# Altium PCB mother_board.PcbDoc (part 2 of 5)
Units mil, origin at the board's own origin, x right, y up, seen from the top; angles counter-clockwise.
Board outline 5337.7 x 2972.67 mil, 2 copper layers (Top Layer, Bottom Layer); 94 components, 123 nets, 375 pads, 276 vias.
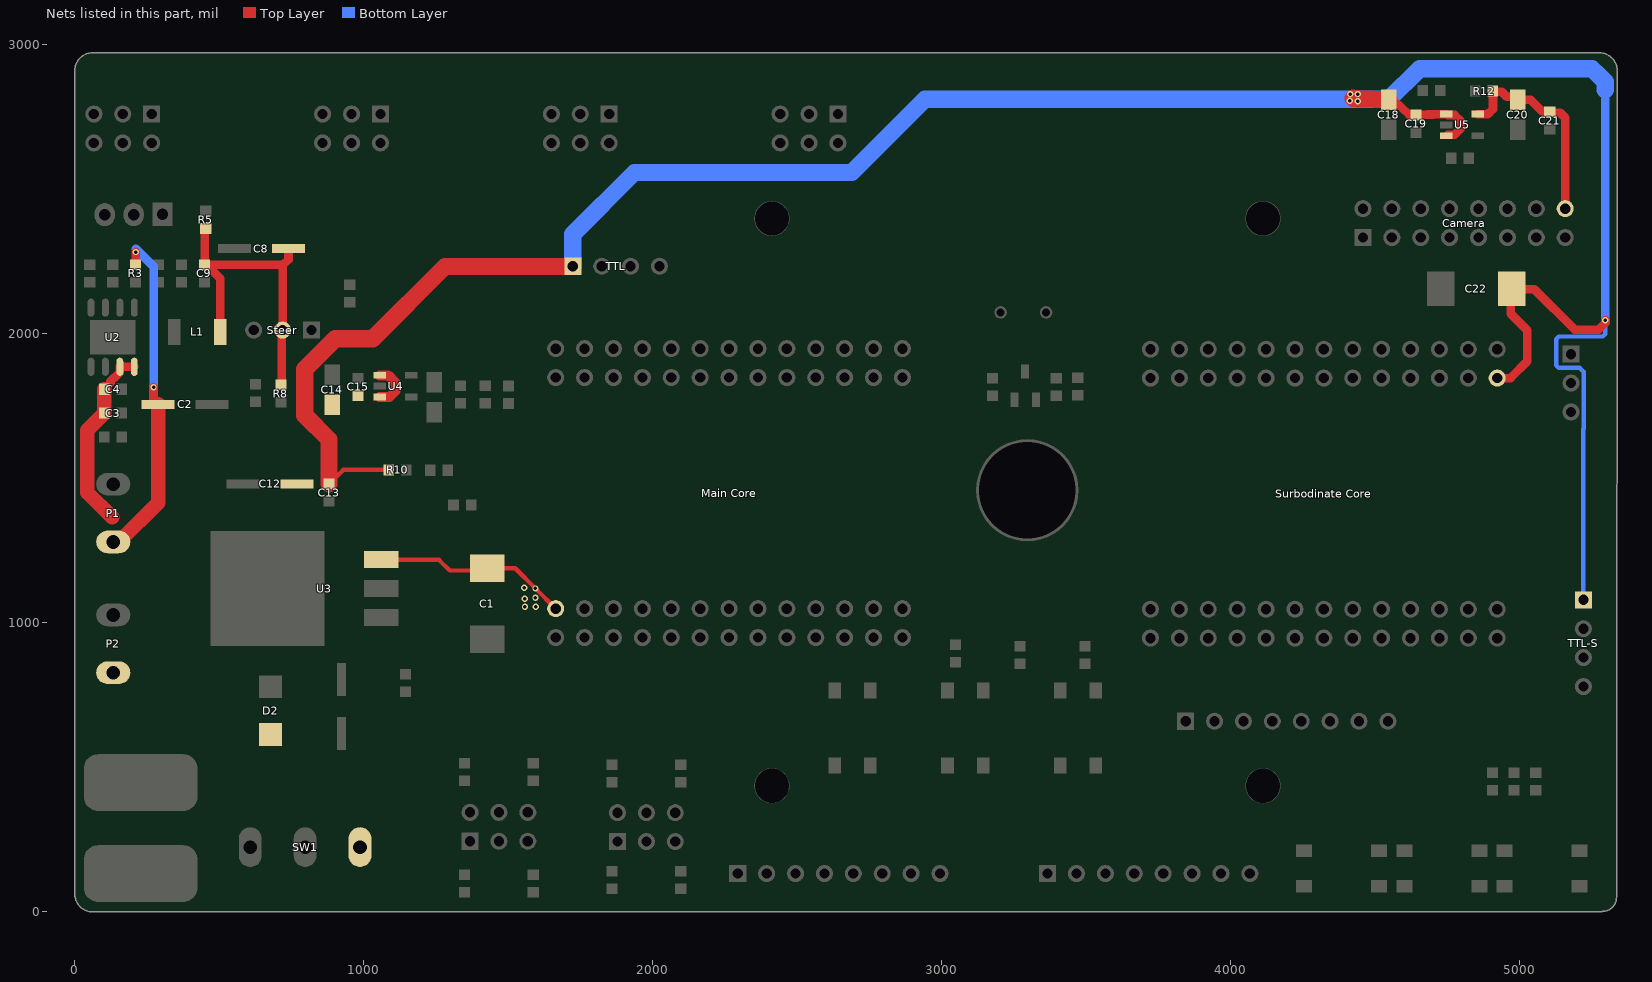
[diagram p2: the nets of this part, all layers, seen from the top]

## Via types
v1: diameter 22, hole 12, Top Layer to Bottom Layer, tented both sides, 274 vias
v2: diameter 22, hole 12, Top Layer to Bottom Layer, 2 vias

## Nets (pads, with @x,y where several pads share a name; then routed paths per layer and width w, separated by ;. In a path a pad name is that pad's centre, name@x,y a point inside that pad or via, vN(x,y) a via of type N, cw(c..) or ccw(c..) an arc to the next point about the centre after c; other vN are vias at no path point) (continued)
VCC5V: "Main Core.2" "Surbodinate Core.2" C1.1 C12.1 C13.2 C14.1 C15.1 C18.1 C19.1 C22.1 R10.1 TTL-S.1 TTL.1 U3.3 U4.1 U4.3 U5.1 U5.3 | length 9831.7
  Top Layer w15: C13.2@880.58,1480.91 928.77,1529.1 R10.1@1086.68,1529.1 ; U3.3@1060.2,1218.3 1060.8,1217.7 1260.6,1217.7 1297.6,1180.7 1418.9,1180.7 C1.1@1427,1188.8 1524.1,1188.8 v1(1594.1,1118.8) 1664.1,1048.8
  Top Layer w30: C18.1@4548,2809.98 4549.87,2809.9 4552.7,2809.79 4563.92,2809.33 4618.81,2757.49 4630.69,2757.46 C19.1@4641.8,2757.43 4677.82,2758.53 4683.29,2759.2 4699.48,2759.2 4700.39,2759.21 U5.1@4745.98,2760.6 4749.45,2760.6 4752.64,2757.41 4774.93,2757.41 4796.72,2735.63 4796.72,2710.77 4774.93,2688.99 U5.3@4752.64,2688.99 ; 4922.7,1846.8 4968.69,1846.8 5026.7,1904.82 5026.7,2012.6 4969.88,2069.42 4969.88,2152.44 C22.1@4973.34,2155.9 ; C22.1@4975.14,2154.1 5051.3,2154.1 5190.7,2014.7 5273.4,2014.7 5297.7,2039 v1@5297.7,2047
  Top Layer w35: U4.3@1054.66,1781.6 1088.83,1781.6 1109.33,1802.1 1109.33,1831.1 1084.03,1856.4 U4.1@1054.66,1856.4
  Top Layer w60: C13.2@879.6,1480.91 879.6,1634.46 795.7,1718.36 795.7,1877.86 900.7,1982.86 1030.86,1982.86 1280.94,2232.94 1722.24,2232.94 TTL.1@1723.3,2234 ; 4423.5,2814.9 4439.68,2814.26 4440.64,2814.22 C18.1@4548,2809.98
  Bottom Layer w15: TTL-S.1@5221,1079.4 5221.1,1079.5 5221.1,1671.36 5221.8,1672.06 5221.8,1869.1 5208.76,1882.14 5135.61,1882.14 5126.82,1890.93 5126.82,1981.86 5135.61,1990.65 5288.11,1990.65 5296.9,1999.43 v1(5296.9,2047)
  Bottom Layer w30: v1(5296.9,2047) 5296.9,2844.9
  Bottom Layer w60: TTL.1@1723.3,2234 1723.3,2344.9 1936.7,2558.3 2688.8,2558.3 2942.4,2811.9 4548,2811.9 4654.2,2918.1 5250.8,2918.1 5272.08,2896.82 5296.9,2872 5296.9,2844.9
  other v1: 1557.6,1055.1 1595.2,1055.1 1556.9,1083.7 1594,1086.1 1555.1,1120.7 4413,2806.3 4440.3,2805.6 4413.7,2830 4440.3,2830
VCCBAT: C2.1 C3.1 C4.1 D2.1 P1.1 P2.1 R3.1 SW1.3 U2.7 U2.8 | length 1831.7
  Top Layer w30: C4.1@101.57,1808.3 101.57,1809.28 104.88,1812.59 105.32,1812.59 122.89,1830.17 122.89,1836.29 135.2,1848.59 137.93,1848.59 155.5,1866.17 U2.7@155.5,1886.04 U2.8@205.5,1886.04 ; v1(210.08,2283.2) R3.1@210.08,2239.7 R3.1@210.18,2239.6 ; v1(272.2,1814.9) 272.2,1756.85 272.95,1756.1 C2.1@287.95,1756.1
  Top Layer w50: C4.1@101.57,1808.3 C3.1@101.57,1725.45 42.65,1666.53 42.65,1450.65 128.71,1364.58 ; P1.1@132.7,1279.8 152.38,1279.8 287.95,1415.37 C2.1@287.95,1756.1
  Bottom Layer w30: 210.1,2295.1 273.1,2232.1 273.1,1817.5 v1@271.4,1815.8
VCCCAM: C20.1 C21.1 Camera.16 R12.1 U5.5 | length 725
  Top Layer w30: U5.5@4856.22,2760.6 4856.42,2760.4 4889.9,2760.4 4908,2778.5 R12.1@4908,2840.5 4910.1,2838.4 4938.23,2838.4 4955.8,2820.83 4982.85,2820.83 C20.1@4994.1,2809.58 4994.92,2810.4 5038.3,2810.4 5052.79,2795.91 5080.5,2768.2 5104.2,2768.2 C21.1@5104.4,2768.4 5107.71,2765.09 5140.53,2765.09 5158.1,2747.52 Camera.16@5158.1,2433.3
VCCSteer: C8.1 C9.2 L1.1 R5.2 R8.2 Steer.2 | length 1141.1
  Top Layer w20: R8.2@713.3,1823.53 R8.2@716.05,1826.28 ; Steer.2@716.05,2010.25 Steer.2@718.8,2013
  Top Layer w30: R5.2@452.9,2364.67 452.39,2364.67 449.08,2361.36 C9.2@449.08,2239.7 ; L1.1@502.92,2006.9 502.92,2191.54 458.07,2236.39 451.41,2236.39 C9.2@448.1,2239.7 C9.2@449.08,2239.7 ; R8.2@716.05,1826.28 Steer.2@716.05,2010.25 ; Steer.2@718.8,2013 718.8,2239.7 ; C8.1@738.95,2295.3 739.1,2295.15 739.1,2257.27 721.53,2239.7 718.8,2239.7 ; C9.2@449.08,2239.7 718.8,2239.7
pads on no net: "Main Core.4" "Main Core.6" "Surbodinate Core.4" "Surbodinate Core.6" Camera.10 ICM20602.7 ICM20602.8 K1.3 K1.4 K2.3 K2.4 K3.3 K3.4 K4.3 K4.4 K5.3 K5.4 K6.3 K6.4 M1.1 M2.1 M3.1 M4.1 M5.8 OLED-S.8 OLED/TFT.8 R6.3 SW1.1 U3.0 U4.4 U5.4
copper on no net: | length 31629.2